# Altium PCB OSP_Carrier_V7_Release.PcbDoc (part 3 of 3)
Units mil, origin at the board's own origin, x right, y up, seen from the top; angles counter-clockwise.
Board outline 2523.62 x 2011.81 mil, 4 copper layers (Component Side, Signal Layer 1, Signal Layer 2, Solder Side), stack 62.2 mil thick; 153 components, 119 nets, 1098 pads, 392 vias.
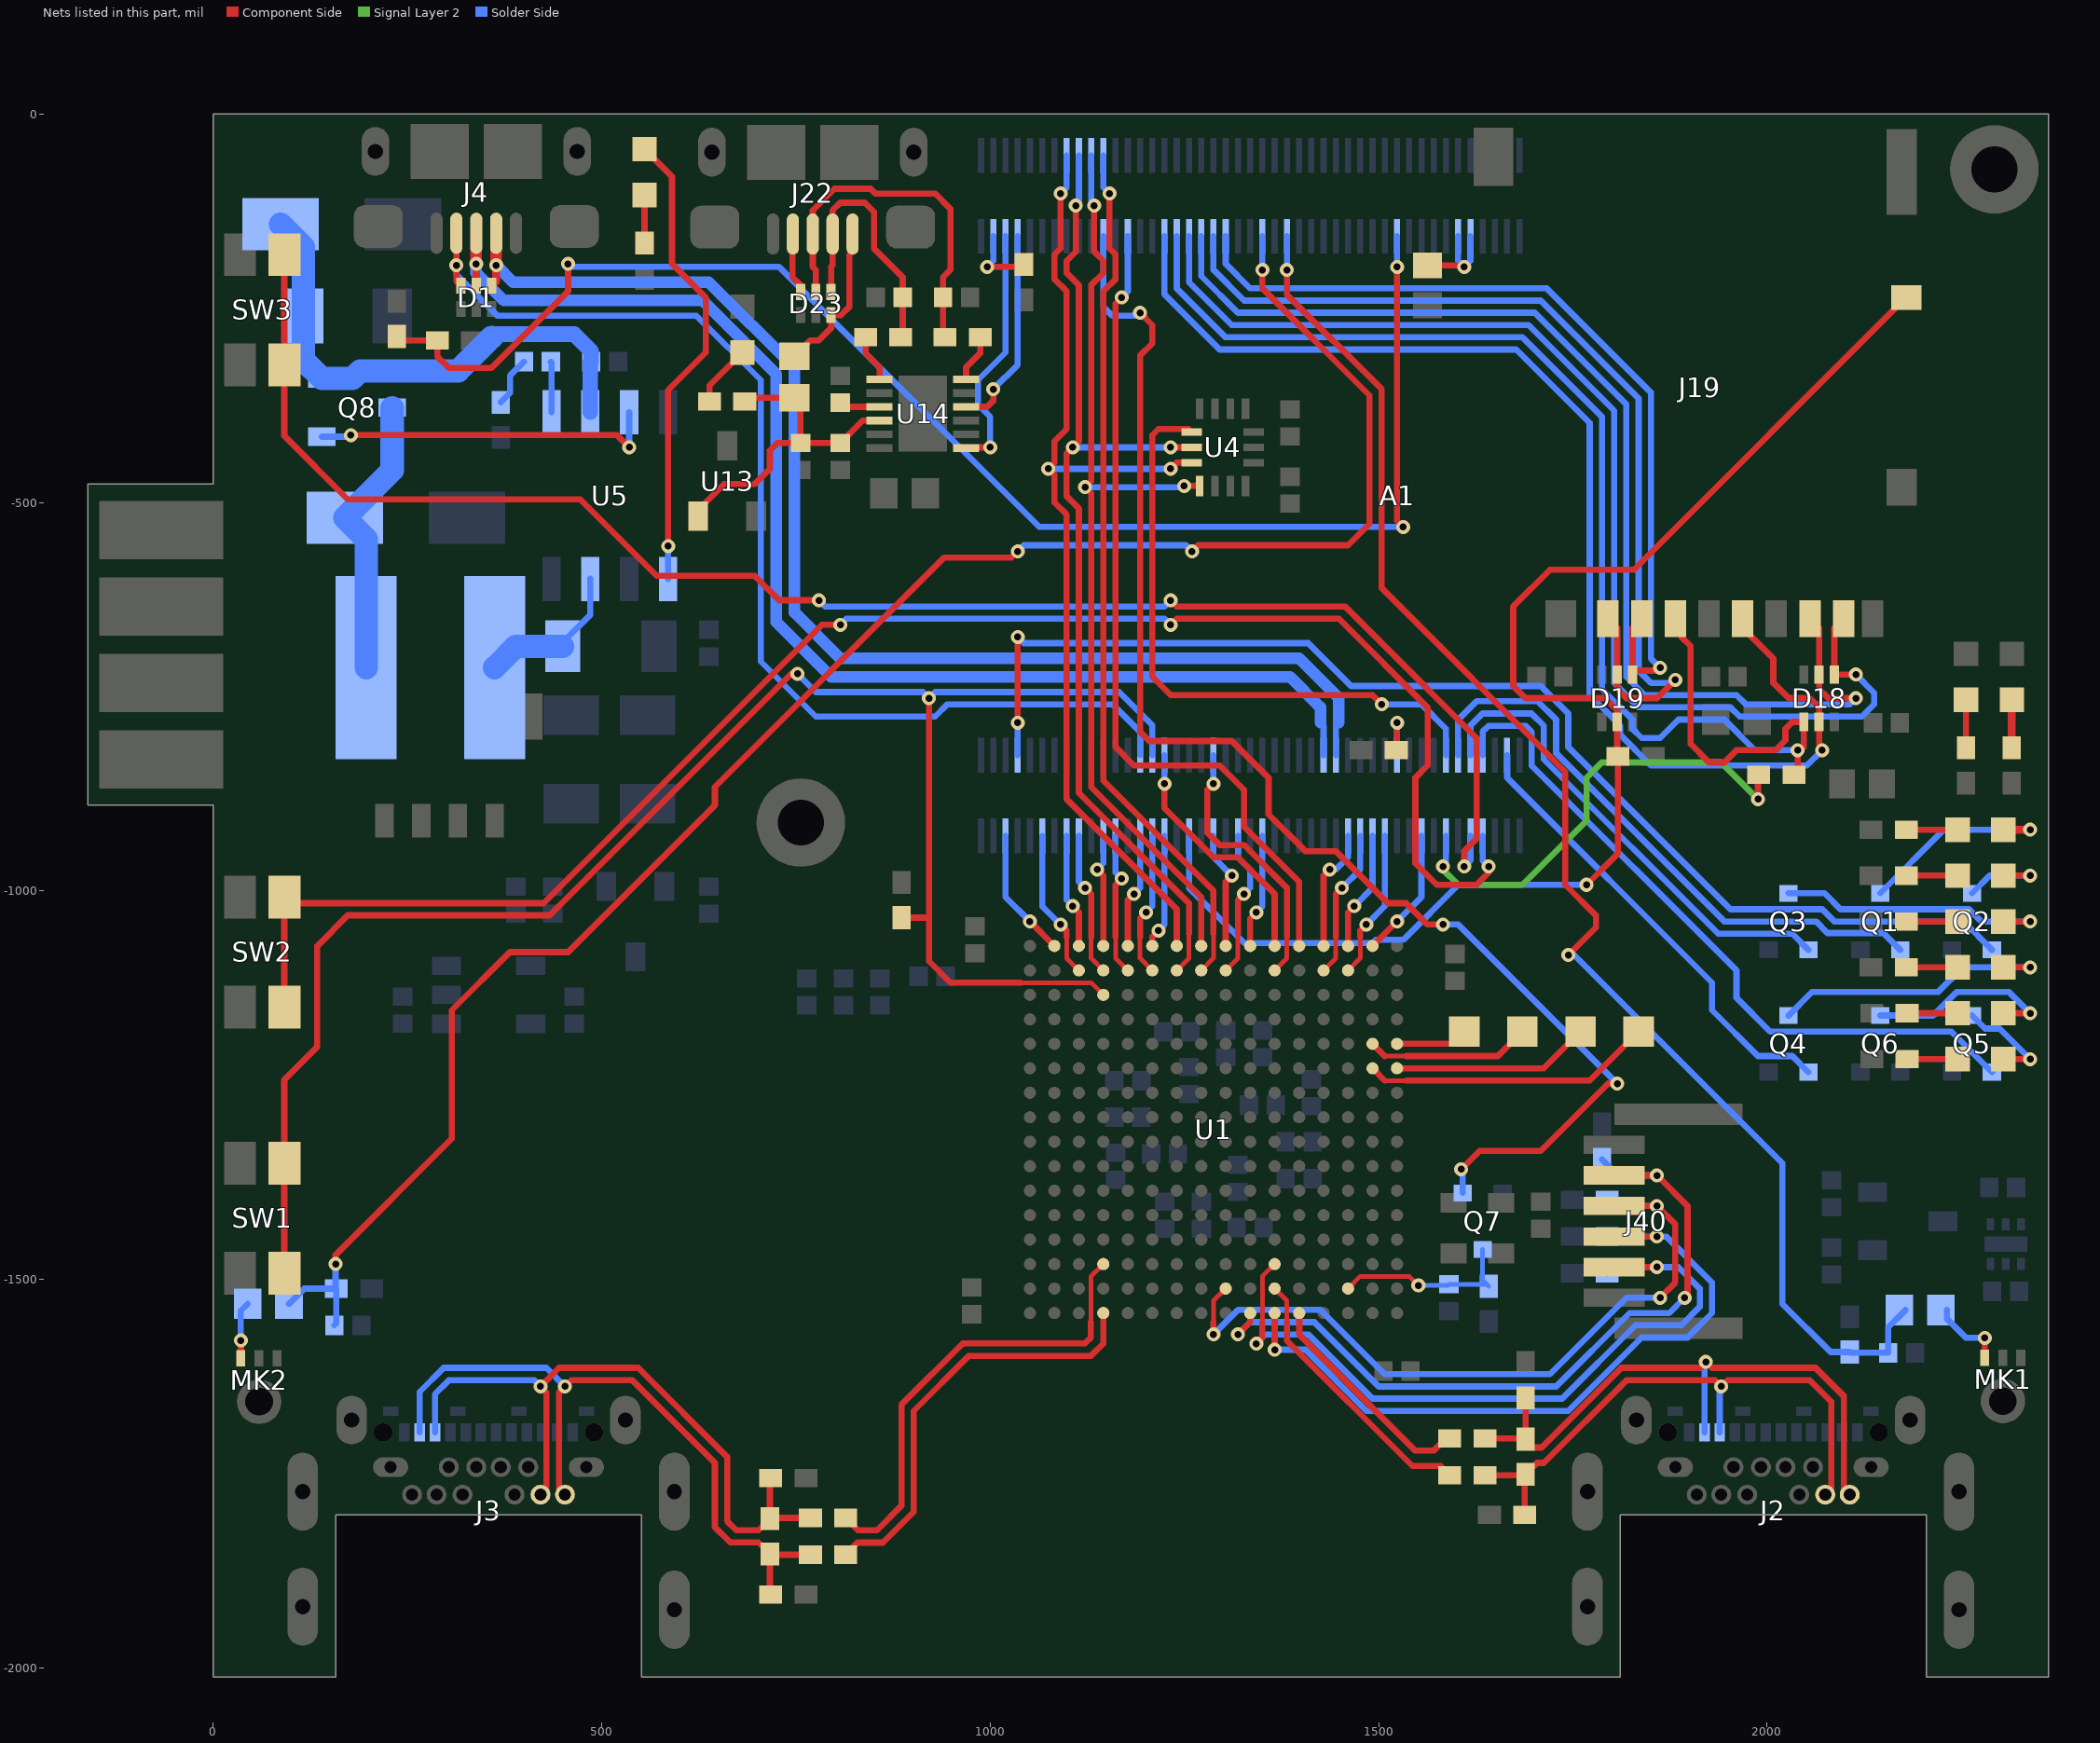
[diagram p5: the nets of this part, all layers, seen from the top]

## Via types
v1: diameter 18, hole 9, Component Side to Solder Side, tented both sides, 392 vias

## Nets (pads, with @x,y where several pads share a name; then routed paths per layer and width w, separated by ;. In a path a pad name is that pad's centre, name@x,y a point inside that pad or via, vN(x,y) a via of type N, cw(c..) or ccw(c..) an arc to the next point about the centre after c; other vN are vias at no path point) (continued)
GPIO17: A1.69 Q7.1 | length 1803.9
  Component Side w8: v1(1192.91,-255.91) 1208.66,-271.65 1208.66,-295.28 1192.91,-311.02 1192.91,-795.28 1204.72,-807.09 1311.02,-807.09 1358.27,-854.33 1358.27,-901.57 1405.51,-948.82 1444.88,-948.82 1511.81,-1015.75 1535.43,-1015.75 1562.99,-1043.31 v1(1582.68,-1043.31) ; v1(1606.3,-1358.27) 1629.92,-1334.65 1708.66,-1334.65 1795.28,-1248.03 v1(1807.09,-1248.03)
  Solder Side w8: A1.69@1145.67,-157.48 1145.67,-248.03 1157.48,-259.84 1188.98,-259.84 v1(1192.91,-255.91) ; v1(1582.68,-1043.31) 1602.36,-1043.31 v1(1807.09,-1248.03) ; v1(1606.3,-1358.27) 1608.27,-1360.24 Q7.1@1608.27,-1388.78
GPIO31_CLK: A1.185 U1.T15 | length 167.8
  Component Side w8: v1(1051.18,-1039.37) U1.T15@1082.68,-1070.87
  Solder Side w8: A1.185@1019.69,-929.13 1019.69,-1007.87 v1(1051.18,-1039.37)
GPIO62_INT: A1.160 U1.T6 | length 322.8
  Component Side w8: v1(1224.41,-862.2) 1224.41,-893.7 1287.4,-956.69 1318.9,-956.69 1366.14,-1003.94 U1.T6@1366.14,-1070.87
  Solder Side w8: v1(1224.41,-862.2) A1.160@1224.41,-825.2
I2S1_D0: A1.143 U1.T7 | length 148.3
  Component Side w8: U1.T7@1334.65,-1070.87 1334.65,-1035.43 v1(1342.52,-1027.56)
  Solder Side w8: v1(1342.52,-1027.56) 1350.39,-1019.69 A1.143@1350.39,-929.13
I2S1_D1: A1.179 U1.R14 | length 192.8
  Component Side w6: 1098.43,-1059.06 1098.43,-1086.61 U1.R14@1114.17,-1102.36
  Component Side w8: v1(1090.55,-1043.31) 1098.43,-1051.18 1098.43,-1059.06
  Solder Side w8: A1.179@1066.93,-929.13 1066.93,-1019.69 v1(1090.55,-1043.31)
I2S1_SCK: A1.147 U1.R8 | length 192.8
  Component Side w6: U1.R8@1303.15,-1102.36 1318.9,-1086.61 1318.9,-1055.12
  Component Side w8: 1318.9,-1055.12 1318.9,-1011.81 v1(1326.77,-1003.94)
  Solder Side w8: A1.147@1318.9,-929.13 1318.9,-956.69 1334.65,-972.44 1334.65,-996.06 v1(1326.77,-1003.94)
I2S1_WS: A1.151 U1.T8 | length 154.8
  Component Side w8: U1.T8@1303.15,-1070.87 1303.15,-988.19 v1(1311.02,-980.32)
  Solder Side w8: A1.151@1287.4,-929.13 1287.4,-956.69 v1(1311.02,-980.32)
I2S2_D0: A1.159 U1.T11 | length 148.3
  Component Side w8: U1.T11@1208.66,-1070.87 1208.66,-1059.06 v1(1216.54,-1051.18)
  Solder Side w8: v1(1216.54,-1051.18) 1224.41,-1043.31 A1.159@1224.41,-929.13
I2S2_D1: A1.117 U1.T2 | length 167.8
  Component Side w8: U1.T2@1492.13,-1070.87 v1(1523.62,-1039.37)
  Solder Side w8: v1(1523.62,-1039.37) 1555.12,-1007.87 A1.117@1555.12,-929.13
I2S2_SCK: A1.163 U1.T12 | length 148.3
  Component Side w8: U1.T12@1177.17,-1070.87 1177.17,-1011.81 v1(1185.04,-1003.94)
  Solder Side w8: v1(1185.04,-1003.94) 1192.91,-996.06 A1.163@1192.91,-929.13
I2S2_WS: A1.161 U1.R11 | length 186.3
  Component Side w6: 1192.91,-1059.06 1192.91,-1086.61 U1.R11@1208.66,-1102.36
  Component Side w8: 1192.91,-1059.06 1192.91,-1035.43 v1(1200.79,-1027.56)
  Solder Side w8: v1(1200.79,-1027.56) 1208.66,-1019.68 A1.161@1208.66,-929.13
L_LVDS_N: J2.A10 J2.B10 R12.1 R13.2 R14.2 | length 748.4
  Component Side w8: R13.2@1636.81,-1751.97 R14.2@1687.99,-1751.97 ; R12.1@1687.99,-1803.15 R14.2@1687.99,-1751.97 ; J2.B10@2074.8,-1777.17 2082.68,-1769.29 2082.68,-1657.48 2055.12,-1629.92 1948.82,-1629.92 v1(1940.94,-1637.8) 1933.07,-1629.92 1818.9,-1629.92 1712.6,-1736.22 1703.74,-1736.22 R14.2@1688.98,-1750.98 R14.2@1687.99,-1751.97
  Solder Side w8: J2.A10@1938.98,-1696.85 1938.98,-1639.76 v1(1940.94,-1637.8)
L_LVDS_P: J2.A11 J2.B11 R14.1 R16.2 R17.2 | length 855.7
  Component Side w8: R16.2@1636.81,-1704.72 1687.99,-1704.72 R14.1@1688.98,-1705.71 ; R17.2@1687.99,-1653.54 1688.98,-1654.53 R14.1@1688.98,-1705.71 ; 2062.74,-1613.92 2098.68,-1649.86 ; J2.B11@2106.3,-1777.17 2098.68,-1769.54 2098.68,-1649.86 ; R14.1@1688.98,-1705.71 1699.8,-1716.54 1709.66,-1716.54 1812.27,-1613.92 1913.64,-1613.92 v1(1921.26,-1606.3) 1928.88,-1613.92 2061.75,-1613.92 2097.68,-1649.86 2098.68,-1649.86
  Solder Side w8: J2.A11@1919.29,-1696.85 1919.29,-1608.27 v1(1921.26,-1606.3)
L_PRE_N: R13.1 U1.B6 | length 354.9
  Component Side w6: U1.B6@1366.14,-1511.81 1381.89,-1527.56 1381.89,-1555.12
  Component Side w8: 1381.89,-1555.12 1381.89,-1578.74 1543.31,-1740.16 1579.72,-1740.16 R13.1@1591.54,-1751.97
L_PRE_P: R16.1 U1.A5 | length 288.3
  Component Side w6: R16.1@1582.68,-1708.66 R16.1@1591.54,-1708.66
  Component Side w8: U1.A5@1397.64,-1543.31 1397.89,-1543.56 1397.89,-1571.12 1547.24,-1720.47 1570.87,-1720.47 R16.1@1582.68,-1708.66
NetA1_9: A1.9 A1.11 R6.1 | length 133.3
  Component Side w8: R6.1@1562.99,-194.88 1608.27,-194.88 v1(1610.24,-196.85)
  Solder Side w8: A1.11@1602.36,-157.48 1602.36,-188.98 v1(1610.24,-196.85) 1618.11,-188.98 A1.9@1618.11,-157.48
NetA1_21: A1.21 R30.1 R35.2 | length 1917.8
  Component Side w8: R35.2@236.22,-286.42 241.14,-291.34 R30.1@288.39,-291.34 288.39,-312.01 303.15,-326.77 358.27,-326.77 456.69,-228.35 v1(456.69,-192.91) ; v1(1523.62,-196.85) 1523.62,-523.62 v1(1531.5,-531.5)
  Solder Side w8: v1(456.69,-192.91) 460.63,-196.85 728.35,-196.85 1062.99,-531.5 v1(1531.5,-531.5) ; v1(1523.62,-196.85) A1.21@1523.62,-157.48
NetA1_39: A1.39 C48.2 C98.1 R41.1 | length 1898.8
  Component Side w8: v1(1381.89,-200.79) 1381.89,-232.28 1503.94,-354.33 1503.94,-610.24 1740.16,-846.46 1740.16,-992.13 1779.53,-1031.5 1779.53,-1047.24 v1(1744.09,-1082.68)
  Solder Side w8: v1(1381.89,-200.79) A1.39@1381.89,-157.48 ; v1(1744.09,-1082.68) 1751.97,-1082.68 2019.68,-1350.39 2019.68,-1531.5 2081.69,-1593.5 R41.1@2106.3,-1593.5 2107.28,-1594.49 C48.2@2155.91,-1594.49 2155.91,-1561.61 C98.1@2178.15,-1539.37
NetA1_43: A1.43 C47.2 C99.1 R40.1 | length 2426
  Component Side w8: v1(157.48,-1480.31) 157.48,-1468.5 307.09,-1318.9 307.09,-1153.54 381.89,-1078.74 456.69,-1078.74 645.67,-889.76 645.67,-866.14 940.94,-570.87 1027.56,-570.87 v1(1035.43,-562.99) ; v1(1259.84,-562.99) 1267.72,-555.12 1460.63,-555.12 1488.19,-527.56 1488.19,-362.2 1350.39,-224.41 v1(1350.39,-200.79)
  Solder Side w8: C99.1@97.44,-1531.5 117.13,-1511.81 R40.1@158.46,-1511.81 ; C47.2@155.91,-1559.06 158.46,-1556.5 R40.1@158.46,-1511.81 ; v1(157.48,-1480.31) 157.48,-1510.83 R40.1@158.46,-1511.81 ; v1(1035.43,-562.99) 1043.31,-555.12 1251.97,-555.12 v1(1259.84,-562.99) ; v1(1350.39,-200.79) A1.43@1350.39,-157.48
NetA1_49: A1.49 D19.4 J19.2 | length 1126.2
  Component Side w8: J19.2@1838.58,-649.61 1826.77,-661.42 D19.4@1826.77,-721.46 1831.69,-716.54 1854.33,-716.54 1858.27,-712.6 v1(1862.2,-712.6)
  Solder Side w8: A1.49@1303.15,-157.48 1303.15,-192.91 1334.65,-224.41 1716.54,-224.41 1850.39,-358.27 1850.39,-700.79 v1(1862.2,-712.6)
NetA1_51: A1.51 D19.5 J19.1 | length 1249.8
  Component Side w8: J19.1@1795.28,-649.61 1807.09,-661.42 D19.5@1807.09,-721.46 1807.09,-740.16 1818.9,-751.97 1858.27,-751.97 v1(1881.89,-728.35)
  Solder Side w8: A1.51@1287.4,-157.48 1287.4,-200.79 1326.77,-240.16 1708.66,-240.16 1834.65,-366.14 1834.65,-716.54 1850.39,-732.28 1877.95,-732.28 v1(1881.89,-728.35)
NetA1_53: A1.53 D18.2 J19.7 | length 1478.1
  Component Side w8: J19.7@2055.12,-649.61 2066.93,-661.42 D18.2@2066.93,-721.46 2066.93,-740.16 2078.74,-751.97 v1(2114.17,-751.97)
  Solder Side w8: A1.53@1271.65,-157.48 1271.65,-208.66 1318.9,-255.91 1700.79,-255.91 1818.9,-374.02 1818.9,-724.41 1842.52,-748.03 1960.63,-748.03 1972.44,-759.84 2106.3,-759.84 v1(2114.17,-751.97)
NetA1_55: A1.55 D18.1 J19.8 | length 1536.8
  Component Side w8: J19.8@2098.43,-649.61 2086.61,-661.42 D18.1@2086.61,-721.46 v1(2114.17,-721.46)
  Solder Side w8: A1.55@1255.91,-157.48 1255.91,-216.54 1311.02,-271.65 1692.91,-271.65 1803.15,-381.89 1803.15,-732.28 1834.65,-763.78 1952.76,-763.78 1964.57,-775.59 2122.05,-775.59 2137.8,-759.84 2137.8,-745.08 v1(2114.17,-721.46)
NetA1_57: A1.57 D18.4 J19.3 R32.1 | length 1774.9
  Component Side w8: J19.3@1881.89,-649.61 1889.76,-657.48 1889.76,-673.23 1901.57,-685.04 1901.57,-811.02 1925.2,-834.65 1944.88,-834.65 1960.63,-818.9 2010.83,-818.9 2023.62,-806.1 2023.62,-791.34 2032.48,-782.48 D18.4@2047.24,-782.48 2047.24,-814.96 2043.31,-818.9 v1(2039.37,-818.9) 2039.37,-845.47 R32.1@2034.45,-850.39
  Solder Side w8: A1.57@1240.16,-157.48 1240.16,-224.41 1303.15,-287.4 1685.04,-287.4 1787.4,-389.76 1787.4,-740.16 1826.77,-779.53 1826.77,-791.34 1838.58,-803.15 1862.2,-803.15 1885.83,-779.53 1944.88,-779.53 1984.25,-818.9 v1(2039.37,-818.9)
NetA1_59: A1.59 D18.5 J19.5 | length 1620.6
  Component Side w8: J19.5@1968.5,-649.61 1976.38,-657.48 1976.38,-669.29 2007.87,-700.79 2007.87,-732.28 2027.56,-751.97 2055.12,-751.97 2066.93,-763.78 D18.5@2066.93,-782.48 2066.93,-814.96 v1(2070.87,-818.9)
  Solder Side w8: A1.59@1224.41,-157.48 1224.41,-232.28 1295.28,-303.15 1677.17,-303.15 1771.65,-397.64 1771.65,-748.03 1811.02,-787.4 1811.02,-799.21 1850.39,-838.58 2051.18,-838.58 v1(2070.87,-818.9)
NetA1_83: A1.83 U14.10 | length 262.8
  Component Side w8: U14.10@969.09,-376.97 996.06,-376.97 1003.94,-369.09 v1(1003.94,-354.33)
  Solder Side w8: v1(1003.94,-354.33) 1035.43,-322.83 A1.83@1035.43,-157.48
NetA1_85: A1.85 U14.7 | length 325
  Component Side w8: U14.7@968.5,-430.71 U14.7@969.09,-430.12 970.08,-429.13 v1(1000,-429.13)
  Solder Side w8: v1(1000,-429.13) 1000,-389.76 984.25,-374.02 984.25,-342.52 1019.69,-307.09 A1.85@1019.69,-157.48
NetA1_87: A1.87 R28.1 | length 91.1
  Component Side w8: v1(996.06,-196.85) 1040.35,-196.85 R28.1@1043.31,-193.9
  Solder Side w8: v1(996.06,-196.85) 1003.94,-188.98 A1.87@1003.94,-157.48
NetA1_113: A1.113 R32.2 | length 607.6
  Component Side w8: v1(1988.19,-881.89) 1988.19,-851.38 R32.2@1989.17,-850.39
  Signal Layer 2 w8: v1(1582.68,-968.5) 1582.68,-972.44 1602.36,-992.13 1685.04,-992.13 1767.72,-909.45 1767.72,-854.33 1787.4,-834.65 1940.94,-834.65 v1(1988.19,-881.89)
  Solder Side w8: v1(1582.68,-968.5) 1586.61,-964.57 A1.113@1586.61,-929.13
NetA1_122: A1.122 R31.1 | length 77.6
  Component Side w8: R31.1@1522.64,-818.9 1523.62,-817.91 v1(1523.62,-783.46)
  Solder Side w8: A1.122@1523.62,-825.2 v1(1523.62,-783.46)
NetA1_155: A1.155 D19.2 J19.10 R47.1 | length 1800.5
  Component Side w8: v1(1767.72,-992.13) 1808.07,-951.77 R47.1@1808.07,-826.77 1807.09,-825.79 D19.2@1807.09,-782.48 1807.09,-767.72 1791.34,-751.97 1688.98,-751.97 1673.23,-736.22 1673.23,-633.86 1720.47,-586.61 1828.74,-586.61 J19.10@2179.13,-236.22
  Solder Side w8: A1.155@1255.91,-929.13 1255.91,-996.06 1326.77,-1066.93 1492.13,-1066.93 1496.06,-1062.99 1531.5,-1062.99 1602.36,-992.13 v1(1767.72,-992.13)
NetA1_164: A1.164 D1.3 J4.4 | length 1460.8
  Component Side w8: J4.4@312.99,-153.54 v1(312.99,-194.88) 312.99,-215.35 D1.3@318.9,-221.26
  Solder Side w8: v1(312.99,-194.88) 312.99,-206.69 366.14,-259.84 622.05,-259.84 704.72,-342.52 704.72,-704.72 775.59,-775.59 929.13,-775.59 944.88,-759.84 1157.48,-759.84 1192.91,-795.28 A1.164@1192.91,-825.2
NetC14_1: C14.1 Q7.2 R3.1 U1.B3 | length 241.1
  Component Side w6: U1.B3@1460.63,-1511.81 1476.38,-1496.06 1539.37,-1496.06 v1(1551.18,-1507.87)
  Solder Side w6: v1(1551.18,-1507.87) 1588.98,-1507.87 C14.1@1590.55,-1506.3 R3.1@1639.17,-1506.3 ; Q7.2@1633.86,-1461.61 1633.86,-1500.98 R3.1@1639.17,-1506.3 ; R3.1@1641.73,-1508.86 R3.1@1639.17,-1506.3
NetC46_1: C46.1 C53.1 D2.2 Q8.2 U5.2 | length 679.3
  Solder Side w20: 358.27,-287.4 362.2,-283.46 464.57,-283.46 486.61,-305.51 C53.1@486.61,-318.9 485.43,-320.08 U5.2@485.43,-383.86
  Solder Side w30: D2.2@86.61,-141.73 116.14,-171.26 C46.1@116.14,-259.84 116.14,-316.93 Q8.2@139.76,-340.55 179.13,-340.55 188.98,-330.71 314.96,-330.71 358.27,-287.4
NetC49_1: C49.1 U5.1 | length 65.3
  Solder Side w8: C49.1@434.65,-318.9 435.43,-319.69 U5.1@435.43,-383.86
NetC49_2: C49.2 R9.1 | length 64.6
  Solder Side w8: R9.1@370.08,-371.06 381.89,-359.25 381.89,-337.01 C49.2@400,-318.9
NetC71_2: C71.2 C72.2 FB3.1 R49.1 U13.1 U14.4 | length 430.8
  Component Side w8: U13.1@624.02,-517.72 624.02,-509.84 657.48,-476.38 696.85,-476.38 716.54,-456.69 716.54,-433.07 725.98,-423.62 C71.2@755.91,-423.62 ; R49.1@684.05,-370.08 688.98,-365.16 FB3.1@748.03,-365.16 755.91,-373.03 C71.2@755.91,-423.62 ; U14.4@857.68,-394.68 836.02,-394.68 C72.2@807.09,-423.62 C71.2@755.91,-423.62
NetC73_2: C73.2 U14.3 | length 52.8
  Component Side w8: C73.2@807.09,-371.65 812.4,-376.97 U14.3@857.68,-376.97
NetC98_2: C98.2 MK1.3 | length 95.6
  Component Side w8: MK1.3@2280.02,-1600.98 v1(2280.02,-1575.29)
  Solder Side w8: C98.2@2231.3,-1539.37 2231.3,-1550.2 2256.4,-1575.29 v1(2280.02,-1575.29)
NetC99_2: C99.2 MK2.3 | length 74
  Component Side w8: v1(35.43,-1578.74) 35.63,-1578.94 MK2.3@35.63,-1601.77
  Solder Side w8: v1(35.43,-1578.74) 35.43,-1540.35 C99.2@44.29,-1531.5
NetD3_2: D3.2 L1.2 Q8.3 | length 371.3
  Solder Side w30: L1.2@196.85,-712.6 196.85,-547.24 D3.2@169.29,-519.69 230.31,-458.66 Q8.3@230.31,-377.95
NetD23_3: D23.3 J22.4 | length 83.2
  Component Side w8: J22.4@746.06,-154.53 745.42,-155.17 745.42,-209.98 755.91,-220.47 D23.3@755.91,-229.13 D23.3@755.91,-233.07
NetD23_6: D23.6 FB3.2 J22.1 | length 205.9
  Component Side w8: FB3.2@748.03,-312.01 768.7,-291.34 779.53,-291.34 795.28,-275.59 D23.6@795.28,-259.05 807.87,-259.05 818.9,-248.03 818.9,-181.1 822.83,-177.16 J22.1@822.83,-154.53 J22.1@825.45,-157.14
NetJ40_2: J40.2 R4.1 U1.C6 | length 983.6
  Component Side w6: 1350.39,-1555.12 1350.39,-1496.06 U1.C6@1366.14,-1480.31
  Component Side w8: v1(1342.52,-1582.68) 1350.39,-1574.8 1350.39,-1555.12 ; J40.2@1803.15,-1484.25 v1(1858.27,-1484.25)
  Solder Side w8: v1(1342.52,-1582.68) 1354.33,-1570.87 1409.45,-1570.87 1492.13,-1653.54 1736.22,-1653.54 1830.71,-1559.06 1889.76,-1559.06 1913.39,-1535.43 1913.39,-1511.81 1885.83,-1484.25 v1(1858.27,-1484.25) 1802.17,-1484.25 R4.1@1794.29,-1492.13
NetJ40_3: J40.3 R7.1 U1.A6 | length 948.9
  Component Side w8: v1(1366.14,-1590.55) U1.A6@1366.14,-1543.31 ; J40.3@1803.15,-1444.88 v1(1858.27,-1444.88)
  Solder Side w8: v1(1366.14,-1590.55) 1405.51,-1590.55 1484.25,-1669.29 1744.09,-1669.29 1838.58,-1574.8 1897.64,-1574.8 1929.13,-1543.31 1929.13,-1503.94 1870.08,-1444.88 v1(1858.27,-1444.88) 1794.39,-1444.88 R7.1@1794.29,-1444.79
NetJ40_4: J40.4 R10.1 U1.B8 | length 986.8
  Component Side w6: 1287.4,-1555.12 1287.4,-1527.56 U1.B8@1303.15,-1511.81
  Component Side w8: v1(1287.4,-1570.87) 1287.4,-1555.12 ; J40.4@1803.15,-1405.51 v1(1858.27,-1405.51) 1881.89,-1429.13 1881.89,-1503.94 v1(1862.2,-1523.62)
  Solder Side w8: v1(1287.4,-1570.87) 1318.9,-1539.37 1425.2,-1539.37 1507.87,-1622.05 1720.47,-1622.05 1818.9,-1523.62 v1(1862.2,-1523.62) ; R10.1@1794.29,-1397.64 1802.17,-1405.51 v1(1858.27,-1405.51)
NetJ40_5: J40.5 R11.2 U1.A7 | length 1006.9
  Component Side w8: v1(1318.9,-1570.87) 1334.65,-1555.12 U1.A7@1334.65,-1543.31 ; J40.5@1803.15,-1366.14 v1(1858.27,-1366.14) 1897.64,-1405.51 1897.64,-1519.69 v1(1893.7,-1523.62)
  Solder Side w8: v1(1318.9,-1570.87) 1334.65,-1555.12 1417.32,-1555.12 1500,-1637.8 1728.35,-1637.8 1822.83,-1543.31 1874.02,-1543.31 v1(1893.7,-1523.62) ; R11.2@1787.4,-1345.47 1808.07,-1366.14 v1(1858.27,-1366.14)
NetL1_1: L1.1 R8.2 U5.7 | length 200.4
  Solder Side w8: R8.2@449.8,-685.04 449.8,-680.12 485.43,-644.49 U5.7@485.43,-598.43
  Solder Side w30: L1.1@362.2,-712.6 389.76,-685.04 R8.2@449.8,-685.04
NetLD1_1: LD1.1 R1.1 | length 63
  Component Side w8: R1.1@555.12,-167.32 R1.1@555.12,-166.34 LD1.1@555.12,-104.33
NetLD1_2: LD1.2 U5.5 | length 605.8
  Component Side w8: LD1.2@555.12,-45.28 590.55,-80.71 590.55,-192.91 633.86,-236.22 633.86,-307.09 585.43,-355.51 v1(585.43,-556.3)
  Solder Side w8: U5.5@585.43,-598.43 v1(585.43,-556.3)
NetLD2_1: LD2.1 R2.2 | length 62
  Component Side w8: R2.2@2255.91,-815.94 LD2.1@2255.91,-753.94
NetLD3_1: LD3.1 R5.2 | length 62
  Component Side w10: R5.2@2314.96,-815.94 LD3.1@2314.96,-753.94
NetLD5_1: LD5.1 R22.1 | length 65.9
  Component Side w8: R22.1@2179.13,-921.26 LD5.1@2245.08,-921.26
NetLD5_2: LD5.2 Q1.2 | length 261.2
  Component Side w10: LD5.2@2304.13,-921.26 v1(2338.58,-921.26)
  Solder Side w8: Q1.2@2145.67,-1002.95 2227.36,-921.26 v1(2338.58,-921.26)
NetLD6_1: LD6.1 R23.1 | length 65.9
  Component Side w8: R23.1@2179.13,-980.31 LD6.1@2245.08,-980.31
NetLD6_2: LD6.2 Q2.2 | length 118.6
  Component Side w8: LD6.2@2304.13,-980.31 v1(2338.58,-980.31)
  Solder Side w8: Q2.2@2263.78,-1002.95 2286.42,-980.31 v1(2338.58,-980.31)
NetLD7_1: LD7.1 R24.1 | length 65.9
  Component Side w8: R24.1@2179.13,-1039.37 LD7.1@2245.08,-1039.37
NetLD7_2: LD7.2 Q3.2 | length 360.6
  Component Side w8: LD7.2@2304.13,-1039.37 v1(2338.58,-1039.37)
  Solder Side w8: Q3.2@2027.56,-1002.95 2073.82,-1002.95 2094.49,-1023.62 2259.84,-1023.62 2275.59,-1039.37 v1(2338.58,-1039.37)
NetLD8_1: LD8.1 R25.1 | length 65.9
  Component Side w8: R25.1@2179.13,-1098.43 LD8.1@2245.08,-1098.43
NetLD8_2: LD8.2 Q4.2 | length 371.2
  Component Side w8: LD8.2@2304.13,-1098.43 v1(2338.58,-1098.43)
  Solder Side w8: Q4.2@2027.56,-1160.43 2058.07,-1129.92 2220.47,-1129.92 2251.97,-1098.43 v1(2338.58,-1098.43)
NetLD9_1: LD9.1 R26.1 | length 62
  Component Side w8: R26.1@2183.07,-1216.54 LD9.1@2245.08,-1216.54
NetLD9_2: LD9.2 Q5.2 | length 132.5
  Component Side w8: LD9.2@2304.13,-1216.54 v1(2338.58,-1216.54)
  Solder Side w8: Q5.2@2263.78,-1160.43 2280.51,-1177.17 2299.21,-1177.17 v1(2338.58,-1216.54)
NetLD10_1: LD10.1 R27.1 | length 61
  Component Side w8: R27.1@2184.06,-1157.48 LD10.1@2245.08,-1157.48
NetLD10_2: LD10.2 Q6.2 | length 251.4
  Component Side w8: LD10.2@2304.13,-1157.48 v1(2338.58,-1157.48)
  Solder Side w8: Q6.2@2145.67,-1160.43 2213.58,-1160.43 2244.09,-1129.92 2311.02,-1129.92 v1(2338.58,-1157.48)
NetLD11_1: LD11.1 R49.2 | length 80.5
  Component Side w8: R49.2@638.78,-370.08 638.78,-349.41 LD11.1@681.1,-307.09
NetQ8_1: Q8.1 U5.3 | length 448.3
  Component Side w8: v1(177.17,-413.39) 519.68,-413.39 v1(535.43,-429.13)
  Solder Side w8: Q8.1@139.76,-415.35 175.2,-415.35 v1(177.17,-413.39) ; v1(535.43,-429.13) U5.3@535.43,-383.86
R_LVDS_N: J3.A10 J3.B10 R18.1 R19.2 R20.2 | length 892.7
  Component Side w8: J3.B10@421.26,-1777.17 428.88,-1769.54 428.88,-1645.42 v1(421.26,-1637.8) 445.13,-1613.92 546.99,-1613.92 661.42,-1728.35 661.42,-1811.02 673.23,-1822.83 701.77,-1822.83 R20.2@716.54,-1808.07 ; R18.1@717.52,-1755.91 716.54,-1756.89 R20.2@716.54,-1808.07 ; R19.2@768.7,-1807.09 717.52,-1807.09 R20.2@716.54,-1808.07
  Solder Side w8: J3.A10@285.43,-1696.85 285.43,-1647.64 303.15,-1629.92 413.39,-1629.92 v1(421.26,-1637.8)
R_LVDS_P: J3.A11 J3.B11 R20.1 R21.2 R29.2 | length 920.9
  Component Side w8: J3.B11@452.76,-1777.17 444.88,-1769.29 444.88,-1645.67 v1(452.76,-1637.8) 460.63,-1629.92 539.37,-1629.92 645.67,-1736.22 645.67,-1818.9 665.35,-1838.58 701.77,-1838.58 R20.1@716.54,-1853.35 ; R29.2@717.52,-1905.51 716.54,-1904.53 R20.1@716.54,-1853.35 ; R21.2@768.7,-1854.33 717.52,-1854.33 R20.1@716.54,-1853.35
  Solder Side w8: J3.A11@265.75,-1696.85 265.75,-1644.7 296.52,-1613.92 428.88,-1613.92 v1(452.76,-1637.8)
R_PRE_N: R19.1 U1.C13 | length 602.2
  Component Side w6: 1129.67,-1555.12 1129.67,-1496.31 U1.C13@1145.67,-1480.31
  Component Side w8: R19.1@813.98,-1807.09 829.72,-1822.83 854.33,-1822.83 885.83,-1791.34 885.83,-1661.42 964.57,-1582.68 965.56,-1582.68 965.81,-1582.43 1122.05,-1582.43 1129.67,-1574.8 1129.67,-1555.12
R_PRE_P: R21.1 U1.A13 | length 559.7
  Component Side w8: R21.1@813.98,-1854.33 829.47,-1838.83 861.95,-1838.83 901.57,-1799.21 901.57,-1669.29 972.44,-1598.43 1129.92,-1598.43 1145.67,-1582.68 U1.A13@1145.67,-1543.31
SPI1_CLK: A1.125 U1.T3 | length 154.8
  Component Side w8: U1.T3@1460.63,-1070.87 1460.63,-1027.56 v1(1468.5,-1019.69)
  Solder Side w8: v1(1468.5,-1019.69) 1492.13,-996.06 A1.125@1492.13,-929.13
SPI1_CS0: A1.129 U1.T4 | length 159.4
  Component Side w8: U1.T4@1429.13,-1070.87 1429.13,-980.32 v1(1437.01,-972.44)
  Solder Side w8: v1(1437.01,-972.44) 1444.88,-972.44 1460.63,-956.69 A1.129@1460.63,-929.13
SPI1_CS2: A1.65 U1.T5 | length 1082.3
  Component Side w8: v1(1169.29,-236.22) 1161.42,-244.09 1161.42,-814.96 1185.04,-838.58 1295.28,-838.58 1326.77,-870.08 1326.77,-917.32 1397.64,-988.19 U1.T5@1397.64,-1070.87
  Solder Side w8: v1(1169.29,-236.22) 1177.17,-228.35 A1.65@1177.17,-157.48
SPI1_MISO: A1.127 U1.R4 | length 192.8
  Component Side w6: U1.R4@1429.13,-1102.36 1444.88,-1086.61 1444.88,-1059.06
  Component Side w8: 1444.88,-1059.06 1444.88,-1003.94 v1(1452.76,-996.06)
  Solder Side w8: v1(1452.76,-996.06) 1476.38,-972.44 A1.127@1476.38,-929.13
SPI1_MOSI: A1.123 U1.R3 | length 192.8
  Component Side w6: U1.R3@1460.63,-1102.36 1476.38,-1086.61 1476.38,-1059.06
  Component Side w8: 1476.38,-1059.06 1476.38,-1051.18 v1(1484.25,-1043.31)
  Solder Side w8: v1(1484.25,-1043.31) 1507.87,-1019.68 A1.123@1507.87,-929.13
SPI3_CLK: A1.74 U1.R10 U4.13 | length 1293.2
  Component Side w6: U1.R10@1240.16,-1102.36 1255.91,-1086.61 1255.91,-1055.12
  Component Side w8: v1(1110.24,-118.11) 1110.24,-177.17 1098.43,-188.98 1098.43,-204.72 1114.17,-220.47 1114.17,-421.26 v1(1106.3,-429.13) 1098.43,-437.01 1098.43,-492.13 1114.17,-507.87 1114.17,-874.02 1255.91,-1015.75 1255.91,-1055.12 ; v1(1232.28,-429.13) U4.13@1259.35,-429.13
  Solder Side w8: v1(1106.3,-429.13) v1(1232.28,-429.13) ; v1(1110.24,-118.11) 1114.17,-114.17 A1.74@1114.17,-53.54
SPI3_CS0: A1.70 U1.R9 | length 1127.1
  Component Side w6: U1.R9@1271.65,-1102.36 1287.4,-1086.61 1287.4,-1055.12
  Component Side w8: v1(1153.54,-102.36) 1153.54,-173.23 1161.42,-181.1 1161.42,-212.6 1145.67,-228.35 1145.67,-858.27 1287.4,-1000 1287.4,-1055.12
  Solder Side w8: A1.70@1145.67,-53.54 1145.67,-94.49 v1(1153.54,-102.36)
SPI3_CS1: A1.114 U4.12 | length 813.5
  Component Side w8: U4.12@1251.97,-409.45 U4.12@1259.35,-409.45 1255.41,-405.51 1216.54,-405.51 1208.66,-413.39 1208.66,-724.41 1232.28,-748.03 1492.13,-748.03 v1(1503.94,-759.84)
  Solder Side w8: v1(1503.94,-759.84) 1555.12,-759.84 1586.61,-791.34 A1.114@1586.61,-825.2
SPI3_CS3: A1.152 U1.R6 | length 347.8
  Component Side w6: U1.R6@1366.14,-1102.36 1381.89,-1086.61 1381.89,-1059.06
  Component Side w8: v1(1287.4,-862.2) 1279.53,-870.08 1279.53,-925.2 1295.28,-940.94 1326.77,-940.94 1381.89,-996.06 1381.89,-1059.06
  Solder Side w8: v1(1287.4,-862.2) A1.152@1287.4,-825.2
SPI3_MISO: A1.72 U1.T9 U4.1 | length 1247.3
  Component Side w8: v1(1133.86,-118.11) 1133.86,-177.17 1145.67,-188.98 1145.67,-204.72 1129.92,-220.47 1129.92,-472.44 v1(1122.05,-480.32) 1129.92,-488.19 1129.92,-866.14 1271.65,-1007.87 U1.T9@1271.65,-1070.87 ; v1(1249.51,-478.84) U4.1@1269.68,-478.84 U4.1@1267.22,-476.38
  Solder Side w8: v1(1122.05,-480.32) 1248.03,-480.32 v1(1249.51,-478.84) ; A1.72@1129.92,-53.54 1129.92,-114.17 v1(1133.86,-118.11)
SPI3_MOSI: A1.76 U1.T10 U4.14 | length 1296.5
  Component Side w8: v1(1090.55,-102.36) 1090.55,-173.23 1082.68,-181.1 1082.68,-212.6 1098.43,-228.35 1098.43,-405.51 1082.68,-421.26 1082.68,-448.82 v1(1074.8,-456.69) 1082.68,-464.57 1082.68,-500 1098.43,-515.75 1098.43,-881.89 1240.16,-1023.62 U1.T10@1240.16,-1070.87 ; v1(1232.28,-456.69) 1240.16,-448.82 U4.14@1259.35,-448.82
  Solder Side w8: v1(1074.8,-456.69) v1(1232.28,-456.69) ; v1(1090.55,-102.36) 1098.43,-94.49 A1.76@1098.43,-53.54
SPI4_CLK: A1.167 U1.R12 | length 186.3
  Component Side w6: 1161.42,-1059.06 1161.42,-1086.61 U1.R12@1177.17,-1102.36
  Component Side w8: 1161.42,-1059.06 1161.42,-992.13 v1(1169.29,-984.25)
  Solder Side w8: A1.167@1161.42,-929.13 1161.42,-976.38 v1(1169.29,-984.25)
SPI4_CS: A1.169 U1.T13 | length 148.3
  Component Side w8: v1(1137.8,-972.44) 1145.67,-980.31 U1.T13@1145.67,-1070.87
  Solder Side w8: v1(1137.8,-972.44) 1145.67,-964.57 A1.169@1145.67,-929.13
SPI4_MISO: A1.175 U1.T14 | length 148.3
  Component Side w8: v1(1106.3,-1019.69) 1114.17,-1027.56 U1.T14@1114.17,-1070.87
  Solder Side w8: A1.175@1098.43,-929.13 1098.43,-1011.81 v1(1106.3,-1019.69)
SPI4_MOSI: A1.173 U1.R13 | length 186.3
  Component Side w6: 1129.92,-1059.06 1129.92,-1086.61 U1.R13@1145.67,-1102.36
  Component Side w8: v1(1122.05,-996.06) 1129.92,-1003.94 1129.92,-1059.06
  Solder Side w8: A1.173@1114.17,-929.13 1114.17,-988.19 v1(1122.05,-996.06)
SW_PWR: A1.109 SW3.1 | length 2149.8
  Component Side w8: SW3.1@91.54,-181.1 SW3.1@91.54,-322.83 91.54,-414.37 173.23,-496.06 472.44,-496.06 570.87,-594.49 696.85,-594.49 728.35,-625.98 v1(779.53,-625.98) ; v1(1232.28,-625.98) 1240.16,-633.86 1456.69,-633.86 1498.03,-675.2 1625.98,-803.15 1625.98,-933.07 1610.24,-948.82 v1(1610.24,-968.5)
  Solder Side w8: v1(779.53,-625.98) 787.4,-633.86 1224.41,-633.86 v1(1232.28,-625.98) ; v1(1610.24,-968.5) 1618.11,-960.63 A1.109@1618.11,-929.13
SW_VOL+: A1.162 R44.1 SW1.1 U1.P13 | length 2348
  Component Side w6: 1039.37,-1118.11 1129.92,-1118.11 U1.P13@1145.67,-1133.86
  Component Side w8: SW1.1@91.54,-1492.13 SW1.1@91.54,-1350.39 91.54,-1243.11 133.86,-1200.79 133.86,-1070.87 173.23,-1031.5 433.07,-1031.5 744.09,-720.47 v1(751.97,-720.47) ; R44.1@885.83,-1034.45 920.28,-1034.45 921.26,-1035.43 ; v1(921.26,-751.97) 921.26,-1035.43 ; 1039.37,-1118.11 948.82,-1118.11 921.26,-1090.55 921.26,-1035.43
  Solder Side w8: v1(751.97,-720.47) 775.59,-744.09 913.39,-744.09 v1(921.26,-751.97) 929.13,-744.09 1166.14,-744.09 1208.66,-786.61 A1.162@1208.66,-825.2
SW_VOL-: A1.107 SW2.1 | length 2192.2
  Component Side w8: SW2.1@91.54,-1149.61 SW2.1@91.54,-1007.87 99.41,-1015.75 425.2,-1015.75 783.46,-657.48 v1(807.09,-657.48) ; v1(1232.28,-657.48) 1240.16,-649.61 1448.82,-649.61 1562.99,-763.78 1562.99,-838.58 1547.24,-854.33 1547.24,-964.57 1574.8,-992.13 1625.98,-992.13 1641.73,-976.38 v1(1641.73,-968.5)
  Solder Side w8: v1(807.09,-657.48) 814.96,-649.61 1224.41,-649.61 v1(1232.28,-657.48) ; A1.107@1633.86,-929.13 1633.86,-960.63 v1(1641.73,-968.5)
TP_L1: TP1.1 U1.L1 | length 255.8
  Component Side w8: U1.L1@1523.62,-1228.35 1712.6,-1228.35 TP1.1@1759.84,-1181.1
TP_L2: TP2.1 U1.L2 | length 375.1
  Component Side w6: 1507.87,-1244.09 1535.43,-1244.09
  Component Side w8: U1.L2@1492.13,-1228.35 1507.87,-1244.09 ; 1535.43,-1244.09 1771.65,-1244.09 TP2.1@1834.65,-1181.1
TP_M1: TP3.1 U1.M1 | length 93.1
  Component Side w8: U1.M1@1523.62,-1196.85 1594.49,-1196.85 TP3.1@1610.24,-1181.1
TP_M2: TP4.1 U1.M2 | length 212.5
  Component Side w6: 1507.87,-1212.6 1535.43,-1212.6
  Component Side w8: U1.M2@1492.13,-1196.85 1507.87,-1212.6 ; 1535.43,-1212.6 1653.54,-1212.6 TP4.1@1685.04,-1181.1
USB_D_N: A1.132 D1.1 J4.2 | length 1644.9
  Component Side w10: D1.1@358.27,-221.26 364.17,-215.35 v1(364.17,-194.88)
  Component Side w15: v1(364.17,-194.88) J4.2@364.17,-153.54
  Solder Side w8: A1.132@1444.88,-825.2 1444.88,-787.4 1448.82,-783.46
  Solder Side w15: v1(364.17,-194.88) 385.83,-216.54 637.8,-216.54 748.03,-326.77 748.03,-641.73 807.09,-700.79 1397.64,-700.79 1448.82,-751.97 1448.82,-783.46
USB_D_P: A1.134 D1.2 J4.3 | length 1647.6
  Component Side w10: D1.2@338.58,-221.26 v1(338.58,-192.91)
  Component Side w15: v1(338.58,-192.91) J4.3@338.58,-153.54
  Solder Side w8: 1425.2,-783.46 1429.13,-787.4 A1.134@1429.13,-825.2
  Solder Side w15: v1(338.58,-192.91) 338.58,-204.72 374.02,-240.16 629.92,-240.16 724.41,-334.65 724.41,-653.54 795.28,-724.41 1385.83,-724.41 1425.2,-763.78 1425.2,-783.46
USB_U_N: C74.2 D23.1 J22.2 R54.2 | length 349.8
  Component Side w8: D23.1@795.28,-233.07 D23.1@795.28,-229.13 795.28,-196.85 797.24,-194.88 J22.2@797.24,-154.53 797.24,-124.02 807.09,-114.17 838.58,-114.17 850.39,-125.98 850.39,-173.23 855.65,-178.49 ; 855.69,-178.49 868.76,-191.55 887.4,-210.24 C74.2@887.4,-236.22 887.4,-284.84 R54.2@884.84,-287.4
USB_U_P: C75.2 D23.2 J22.3 R55.2 | length 480.4
  Component Side w8: D23.2@775.59,-233.07 D23.2@775.59,-229.13 775.59,-200.79 771.65,-196.85 J22.3@771.65,-154.53 771.65,-124.15 799.63,-96.17 846.04,-96.17 852.23,-102.36 929.13,-102.36 948.82,-122.05 948.82,-200.79 939.37,-210.24 C75.2@939.37,-236.22 939.37,-284.84 R55.2@941.93,-287.4
USB_UX_N: R54.1 U14.1 | length 61.6
  Component Side w8: R54.1@839.57,-287.4 839.57,-308.07 857.68,-326.18 U14.1@857.68,-341.53
USB_UX_P: R55.1 U14.12 | length 61.6
  Component Side w8: U14.12@969.09,-341.53 969.09,-326.18 987.2,-308.07 R55.1@987.2,-287.4
USR_LED_1_CTRL: A1.112 Q1.1 | length 782.2
  Solder Side w8: A1.112@1602.36,-825.2 1602.36,-779.53 1625.98,-755.91 1704.72,-755.91 1728.35,-779.53 1728.35,-822.83 1944.88,-1039.37 2062.99,-1039.37 2077.76,-1054.13 2149.61,-1054.13 Q1.1@2171.26,-1075.79
USR_LED_2_CTRL: A1.184 Q2.1 | length 1598
  Component Side w8: v1(1035.43,-783.46) v1(1035.43,-673.23)
  Solder Side w8: A1.184@1035.43,-825.2 v1(1035.43,-783.46) ; v1(1035.43,-673.23) 1043.31,-681.1 1409.45,-681.1 1464.57,-736.22 1708.66,-736.22 1744.09,-771.65 1744.09,-814.96 1952.76,-1023.62 2070.87,-1023.62 2086.61,-1039.37 2252.95,-1039.37 Q2.1@2289.37,-1075.79
USR_LED_3_CTRL: A1.110 Q3.1 | length 630.7
  Solder Side w8: A1.110@1618.11,-825.2 1618.11,-787.4 1633.86,-771.65 1696.85,-771.65 1712.6,-787.4 1712.6,-830.71 1937.01,-1055.12 2032.48,-1055.12 Q3.1@2053.15,-1075.79
USR_LED_4_CTRL: A1.104 Q4.1 | length 594.6
  Solder Side w8: A1.104@1665.35,-825.2 1665.35,-854.33 1929.13,-1118.11 1929.13,-1153.54 1988.19,-1212.6 2032.48,-1212.6 Q4.1@2053.15,-1233.27
WAN_LED_CTRL: A1.108 Q5.1 | length 919.5
  Solder Side w8: A1.108@1633.86,-825.2 1633.86,-795.28 1641.73,-787.4 1688.98,-787.4 1696.85,-795.28 1696.85,-838.58 1960.63,-1102.36 1960.63,-1137.8 2003.94,-1181.1 2237.2,-1181.1 Q5.1@2289.37,-1233.27
pads on no net: A1.0 A1.12 A1.13 A1.14 A1.15 A1.16 A1.17 A1.18 A1.19 A1.20 A1.22 A1.23 A1.24 A1.25 A1.26 A1.28 A1.29 A1.30 A1.33 A1.34 A1.35 A1.36 A1.38 A1.40 A1.42 A1.44 A1.48 A1.50 A1.52 A1.54 A1.56 A1.58 A1.60 A1.62 A1.63 A1.64 A1.66 A1.67 A1.73 A1.75 A1.77 A1.80 A1.82 A1.84 A1.88 A1.89 A1.90 A1.106 A1.116 A1.118 A1.119 A1.120 A1.124 A1.126 A1.128 A1.133 A1.135 A1.138 A1.139 A1.140 A1.141 A1.144 A1.145 A1.146 A1.148 A1.150 A1.153 A1.154 A1.157 A1.158 A1.168 A1.170 A1.171 A1.172 A1.174 A1.176 A1.178 A1.180 A1.181 A1.183 A1.186 A1.187 A1.188 D1.5 D19.1 D23.5 J0.1 J00.1 J00.2 J0.2 J0.3 J00.3 J00.4 J0.4 J0.5 J00.5 J00.6 J0.6 J00.7 J0.7 J0.8 J00.8 J0.9 J00.9 J0.10 J00.10 J0.11 J00.11 J00.12 J0.12 J00.13 J0.13 J0.14 J00.14 J00.15 J0.15 J0.16 J00.16 J00.17 J0.17 J00.18 J0.18 J00.19 J0.19 J00.20 J0.20 J00.21 J0.21 J0.22 J00.22 J0.23 J00.23 J00.24 J0.24 J0.25 J00.25 J00.26 J0.26 J0.27 J00.27 J00.28 J0.28 J00.29 J0.29 J0.30 J00.30 J00.31 J0.31 J00.32 J0.32 J00.33 J0.33 J00.34 J0.34 J00.35 J0.35 J0.36 J00.36 J0.37 J00.37 J00.38 J0.38 J0.39 J00.39 J0.40 J00.40 J0.41 J00.41 J00.42 J0.42 J00.43 J0.43 J0.44 J00.44 J00.45 J0.45 J0.46 J00.46 J0.47 J00.47 J00.48 J0.48 J00.49 J0.49 J0.50 J00.50 J0.51 J00.51 J00.52 J0.52 J00.53 J0.53 J0.54 J00.54 J0.55 J00.55 J00.56 J0.56 J00.57 J0.57 J00.58 J0.58 J0.59 J00.59 J0.60 J00.60 J00.61 J0.61 J00.62 J0.62 J0.63 J00.63 J00.64 J0.64 J00.65 J0.65 J0.66 J00.66 J00.67 J0.67 J0.68 J00.68 J00.69 J0.69 J00.70 J0.70 J00.71 J0.71 J00.72 J0.72 J00.73 J0.73 J00.74 J0.74 J0.75 J00.75 J00.76 J0.76 J0.77 J00.77 J00.78 J0.78 J00.79 J0.79 J0.80 J00.80 J00.81 J0.81 J0.82 J00.82 J0.83 J00.83 J0.84 J00.84 J0.85 J00.85 J00.86 J0.86 J00.87 J0.87 J0.88 J00.88 J00.89 J0.89 J0.90 J00.90 J2.A2 J2.A3 J2.A5 J2.A6 J2.A7 J2.A8 J2.A9 J2.B2 J2.B3 J2.B5 J2.B6 J2.B7 J2.B8 J2.B9 J2.M J3.A2 J3.A3 J3.A5 J3.A6 J3.A7 J3.A8 J3.A9 J3.B2 J3.B3 J3.B5 J3.B6 J3.B7 J3.B8 J3.B9 J3.M J26.0 J40.0 MK1.4 MK2.4 U1.A2 U1.A3 U1.A4 U1.A8 U1.A9 U1.A10 U1.A11 U1.A12 U1.A14 U1.A15 U1.B1 U1.B4 U1.B5 U1.B7 U1.B9 U1.B10 U1.B11 U1.B12 U1.B13 U1.B14 U1.B16 U1.C1 U1.C2 U1.C4 U1.C5 U1.C7 U1.C8 U1.C9 U1.C10 U1.C11 U1.C12 U1.C15 U1.C16 U1.D1 U1.D2 U1.D3 U1.D6 U1.D7 U1.D8 U1.D9 U1.D10 U1.D11 U1.D14 U1.D15 U1.D16 U1.E1 U1.E3 U1.E6 U1.E7 U1.E8 U1.E9 U1.E10 U1.E11 U1.E14 U1.E15 U1.E16 U1.F1 U1.F2 U1.F3 U1.F4 U1.F5 U1.F7 U1.F8 U1.F9 U1.F10 U1.F12 U1.F13 U1.F14 U1.F15 U1.F16 U1.G1 U1.G2 U1.G3 U1.G4 U1.G5 U1.G6 U1.G11 U1.G12 U1.G13 U1.G14 U1.G15 U1.G16 U1.H1 U1.H2 U1.H3 U1.H4 U1.H5 U1.H6 U1.H11 U1.H12 U1.H13 U1.H14 U1.H15 U1.H16 U1.J1 U1.J2 U1.J3 U1.J4 U1.J5 U1.J6 U1.J11 U1.J12 U1.J13 U1.J14 U1.J15 U1.J16 U1.K1 U1.K2 U1.K3 U1.K4 U1.K5 U1.K6 U1.K11 U1.K12 U1.K13 U1.K14 U1.K15 U1.K16 U1.L3 U1.L4 U1.L5 U1.L7 U1.L8 U1.L9 U1.L10 U1.L12 U1.L13 U1.L14 U1.L15 U1.L16 U1.M3 U1.M6 U1.M7 U1.M8 U1.M9 U1.M10 U1.M11 U1.M14 U1.M15 U1.M16 U1.N1 U1.N2 U1.N3 U1.N6 U1.N7 U1.N8 U1.N9 U1.N10 U1.N11 U1.N14 U1.N15 U1.N16 U1.P1 U1.P2 U1.P4 U1.P5 U1.P6 U1.P7 U1.P8 U1.P9 U1.P10 U1.P11 U1.P12 U1.P15 U1.P16 U1.R1 U1.R7 U1.R16 U4.2 U4.3 U4.4 U4.9 U4.10 U4.11 U6.4 U14.2 U14.6 U14.8 U14.11 U24.2 U24.5

## Polygon pours and split planes (outlines as drawn)
+3V7 on Signal Layer 2 "+3V7_L03_P046" (solid, pour order 46): 2362.2,0 2362.2,-303.15 1003.94,-303.15 712.6,-594.49 712.6,-870.08 393.7,-1188.98 393.7,-1472.44 472.44,-1551.18 553.15,-1551.18 647.64,-1645.67 803.15,-1645.67 937.01,-1511.81 1940.94,-1511.81 1940.94,-1291.34 2362.2,-1291.34 2362.2,-2011.81 0,-2011.81 0,-889.76 -161.42,-889.76 -161.42,-476.38 0,-476.38 0,0
+3V3 on Signal Layer 2 "+3V3_L03_P050" (solid, pour order 50): 732.28,-602.36 1019.68,-314.96 2362.2,-314.96 2362.2,-1283.46 1933.07,-1283.46 1933.07,-1503.94 933.07,-1503.94 799.21,-1637.8 653.54,-1637.8 559.06,-1543.31 476.38,-1543.31 401.57,-1468.5 401.57,-1192.91 732.28,-862.21
+3V3_F on Solder Side "+3V3_F_L04_P048" (solid, pour order 48): 1181.1,-1157.48 1393.7,-1157.48 1437.01,-1200.79 1437.01,-1413.39 1393.7,-1456.69 1181.1,-1456.69 1137.8,-1413.39 1137.79,-1200.79 1181.1,-1157.48 1181.1,-1086.61 1161.42,-1086.61 1122.05,-1047.25 925.2,-1047.24 925.2,-1578.74 1417.32,-1578.74 1476.38,-1637.8 1771.65,-1637.8 1771.65,-1263.78 1594.49,-1086.61 1181.1,-1086.61
GND on Solder Side "GND_L04_P052" (solid, pour order 52): 618.11,-271.65 692.91,-346.46 692.91,-543.31 413.39,-543.31 413.39,-440.94 511.81,-440.94 511.81,-271.65
GND on Signal Layer 1 "Ground Plane" (solid, pour order 0): 0,-2011.81 2362.21,-2011.81 2362.2,-1303.15 2362.2,0 0,0 0,-456.69 -165.35,-456.69 -165.35,-909.45 0,-909.45

## Other copper
Solder Side:
  rectangle net BATT_ID: -145.67,-870.08 15.75,-791.34
  rectangle net GND: -145.67,-771.65 15.75,-692.91
  rectangle net BATT_NTC: -145.67,-673.23 15.75,-594.49
  rectangle net +3V7: -145.67,-574.8 19.68,-496.06

## Silkscreen, mask and mechanical layers (free items; w line width, h text height)
Top Overlay:
  circle w8: c838.55,-320.87 r7.22
  lines w8: 854.33,-452.76 972.44,-452.76 ; 854.33,-318.9 901.57,-318.9 ccw(c913.39,-318.9) 925.2,-318.9 972.44,-318.9
  text "ADB" at 19.68,-82.68 h60
  text "TTY" at 1019.68,-165.35 h60 r90
  text "PWR" at 141.73,-181.1 h60 r270
  text "CHG" at 574.8,-354.33 h40 r90
  text "+" at 86.61,-555.12 h40
  text "3V7" at 2271.65,-641.73 h40 r90
  text "3V3" at 2334.65,-641.73 h40 r90
  text "NTC" at 90.16,-653.54 h40
  text "−" at 224.41,-688.98 h40 r90
  text "I.D" at 346.46,-688.98 h40 r90
  text "+" at 401.57,-688.98 h40 r90
  text "NTC" at 283.46,-689.37 h40 r90
  text "−" at 86.61,-751.97 h40
  text "I.D" at 90.55,-850.39 h40
  text "KERN" at 1968.5,-940.94 h40
  text "VOL−" at 145.67,-984.25 h60 r270
  text "eMMC" at 1952.76,-1000 h40
  text "SD" at 2035.43,-1059.06 h40
  text "USER" at 1964.57,-1118.11 h40
  text "BT" at 2031.5,-1177.17 h40
  text "L2" at 1874.02,-1200.79 h40
  text "M1" at 1590.55,-1224.41 h40 r270
  text "M2" at 1665.35,-1224.41 h40 r270
  text "L1" at 1736.22,-1224.41 h40 r270
  text "WIFI" at 2007.87,-1236.22 h40
  text "0" at 2015.75,-1311.02 h40
  text "VOL+" at 145.67,-1318.9 h60 r270
  text "TCK" at 2015.75,-1366.14 h40
  text "TMS" at 2015.75,-1421.26 h40
  text "TDI" at 2015.75,-1476.38 h40
  text "TDO" at 2015.75,-1531.5 h40
  text "3V3" at 2015.75,-1586.61 h40
Bottom Overlay:
  circle w10: c1933.07,-468.5 r35
  region: 2318.9,-527.56 1177.17,-527.56 1177.17,-763.78 2318.9,-763.78
  lines w10: 1921.83,-482.56 ccw(c1933.07,-468.5) 1921.83,-454.45
  text "OSP_Carrier V7.0" at 2311.02,-291.34 h50
  text "openspeechplatform.ucsd.edu" at 2311.02,-385.83 h50
  text "Copyright   2018 UCSD / THE_Lab" at 2311.02,-492.13 h50
  text "MIC R" at 66.93,-1708.66 h40 r90
  text "MIC L" at 2334.65,-1708.66 h40 r90
Top Solder:
  region: 1358.27,-456.69 1358.27,-401.57 1318.9,-401.57 1318.9,-456.69
  region: 1279.53,-456.69 1279.53,-401.57 1240.16,-401.57 1240.16,-456.69
  region: 1338.58,-401.57 1338.58,-362.2 1259.84,-362.2 1259.84,-401.57
  region: 1338.58,-496.06 1338.58,-456.69 1259.84,-456.69 1259.84,-496.06
  rectangle: 287.4,-181.1 389.76,-125.98
  rectangle: 720.47,-181.1 822.83,-125.98
  region: 2122.05,-621.06 2114.17,-621.06 2114.17,-678.15 2122.05,-678.15
Mechanical 3:
  the board outline again, w3.94

## Text inside footprints (layer, text, board x,y; h text height)
A1: Bottom Overlay "J1" at 1322.83,-93.7 h20 r180; Bottom Overlay "1" at 1696.85,-137.01 h20 r180; Bottom Overlay "2" at 1696.85,-54.33 h20 r180; Bottom Overlay "89" at 944.88,-137.01 h20 r180; Bottom Overlay "90" at 944.88,-54.33 h20 r180; Bottom Overlay "90" at 944.88,-825.98 h20 r180; Bottom Overlay "89" at 944.88,-908.66 h20 r180; Bottom Overlay "2" at 1696.85,-825.98 h20 r180; Bottom Overlay "1" at 1696.85,-908.66 h20 r180; Bottom Overlay "J2" at 1318.9,-865.35 h20 r180
J0: Bottom Overlay "1" at 1696.85,-137.01 h20 r180; Bottom Overlay "2" at 1696.85,-54.33 h20 r180; Bottom Overlay "89" at 944.88,-137.01 h20 r180; Bottom Overlay "90" at 944.88,-54.33 h20 r180
J00: Bottom Overlay "1" at 1696.85,-908.66 h20 r180; Bottom Overlay "2" at 1696.85,-825.98 h20 r180; Bottom Overlay "89" at 944.88,-908.66 h20 r180; Bottom Overlay "90" at 944.88,-825.98 h20 r180